# KiCad board Marble_Tiny.kicad_pcb (continued)
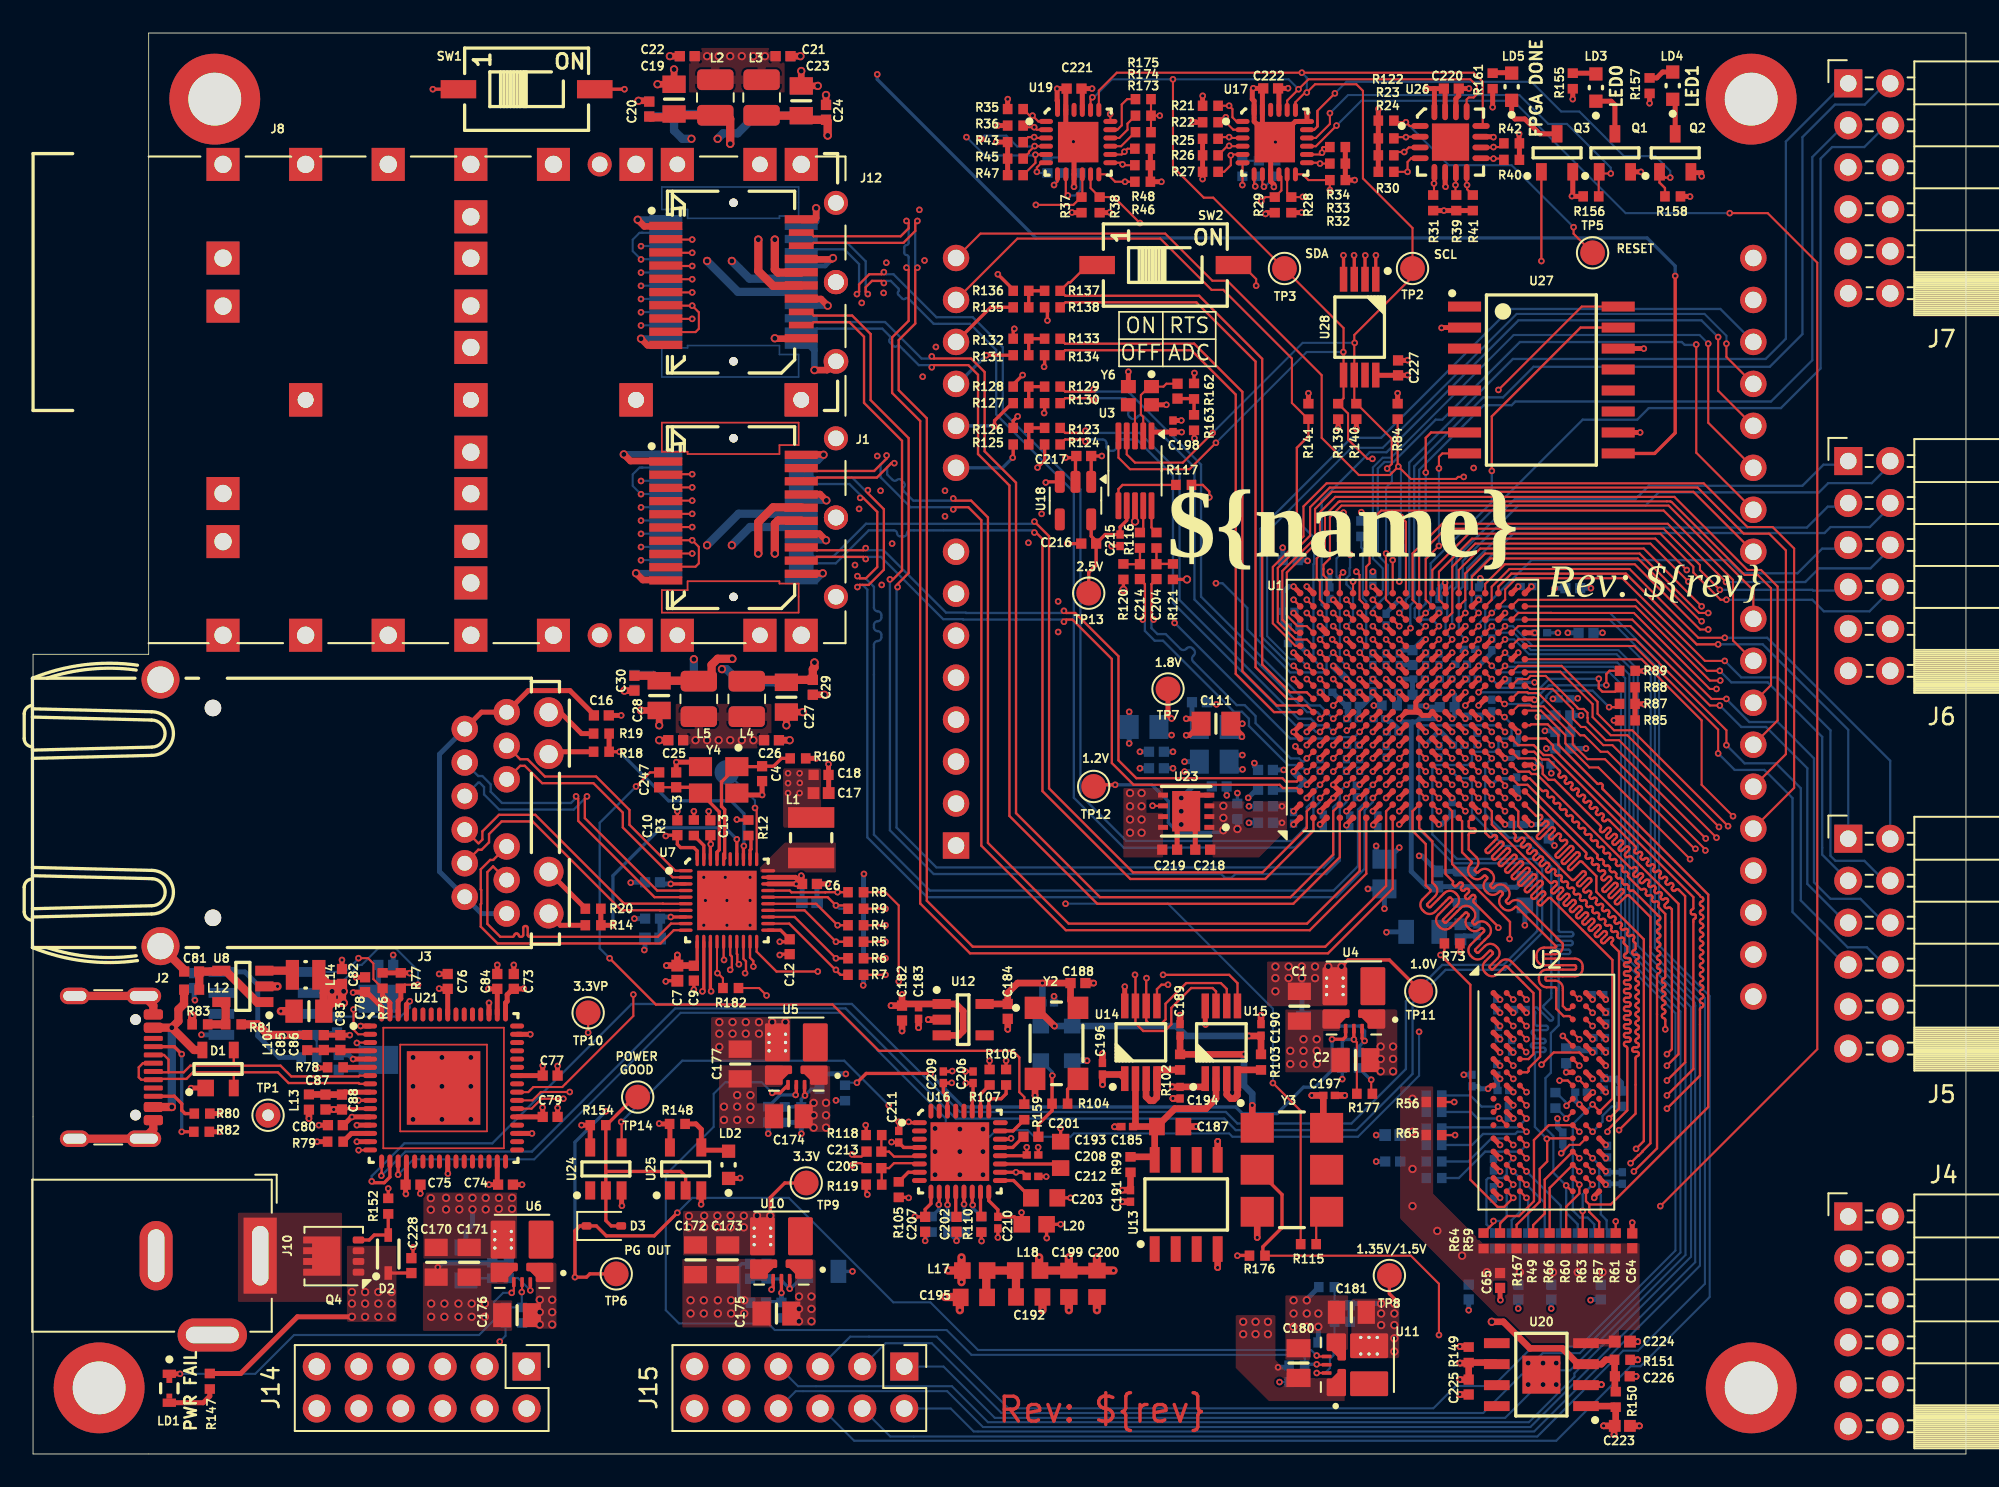
[diagram p0: board, top side]
## Placement (name value [footprint] x y rotation side) (continued)
LD2  -  [LED_KINGBRIGHT_KPH-1608CGCK]  42.1 17.5 90 top
LD3  -  [LED_KINGBRIGHT_KPH-1608CGCK]  94.6 82.7 90 top
LD4  -  [LED_KINGBRIGHT_KPH-1608CGCK]  99.25 82.81 90 top
LD5  -  [LED_KINGBRIGHT_KPH-1608CGCK]  89.5 82.75 90 top
Q1  BSS138LT1G  [SOT95P240X110-3N]  95.75 78.75 90 top
Q2  BSS138LT1G  [SOT95P240X110-3N]  99.4 78.75 90 top
Q3  BSS138LT1G  [SOT95P240X110-3N]  92.25 78.75 90 top
Q4  DMP3013SFV  [Diodes_PowerDI3333-8]  18.2 11.97 180 top
R1  R0603_6K65_0.1%_0.063W_10PPM  [RESC1608X55N]  77.7 26.3 180 bottom
R2  R0402_10K_1%_0.0625W_100PPM  [RESC1005X40N]  80.25 23.83 90 bottom
R3  R0402_2K49_1%_0.063W_100PPM  [RESC1005X40N]  40 37.9 90 top
R4  R0402_22R_1%_0.0625W_100PPM  [RESC1005X40N]  49.8 32 180 top
R5  R0402_22R_1%_0.0625W_100PPM  [RESC1005X40N]  49.8 31 180 top
R6  R0402_22R_1%_0.0625W_100PPM  [RESC1005X40N]  49.8 30 180 top
R7  R0402_22R_1%_0.0625W_100PPM  [RESC1005X40N]  49.8 29 180 top
R8  R0402_22R_1%_0.0625W_100PPM  [RESC1005X40N]  49.8 34 180 top
R9  R0402_22R_1%_0.0625W_100PPM  [RESC1005X40N]  49.8 33 180 top
R10  R0402_4K7_1%_0.0625W_100PPM  [RESC1005X40N]  49.8 31 180 bottom
R11  R0402_4K7_1%_0.0625W_100PPM  [RESC1005X40N]  49.8 32 180 bottom
R12  R0402_4K7_1%_0.0625W_100PPM  [RESC1005X40N]  43.3 37.9 90 top
R13  R0402_4K7_1%_0.0625W_100PPM  [RESC1005X40N]  49.8 30 180 bottom
R14  R0402_4K7_1%_0.0625W_100PPM  [RESC1005X40N]  33.9 32 0 top
R15  R0402_4K7_1%_0.0625W_100PPM  [RESC1005X40N]  49.8 29 0 bottom
R16  R0402_4K7_1%_0.0625W_100PPM  [RESC1005X40N]  49.8 33 180 bottom
R17  R0402_4K7_1%_0.0625W_100PPM  [RESC1005X40N]  49.8 34 180 bottom
R18  R0402_4K7_1%_0.0625W_100PPM  [RESC1005X40N]  34.4 42.5 0 top
R19  R0402_330R_1%_0.0625W_100PPM  [RESC1005X40N]  34.4 43.6 180 top
R20  R0402_330R_1%_0.0625W_100PPM  [RESC1005X40N]  33.9 33 180 top
R21  R0402_4K7_1%_0.0625W_100PPM  [RESC1005X40N]  71.26 81.6 180 top
R22  R0402_4K7_1%_0.0625W_100PPM  [RESC1005X40N]  71.26 80.6 0 top
R23  R0402_4K7_1%_0.0625W_100PPM  [RESC1005X40N]  81.9 79.62 180 top
R24  R0402_4K7_1%_0.0625W_100PPM  [RESC1005X40N]  81.9 78.6 180 top
R25  R0402_4K7_1%_0.0625W_100PPM  [RESC1005X40N]  71.26 79.6 180 top
R26  R0402_4K7_1%_0.0625W_100PPM  [RESC1005X40N]  71.26 78.6 180 top
R27  R0402_4K7_1%_0.0625W_100PPM  [RESC1005X40N]  71.26 77.6 180 top
R28  R0402_4K7_1%_0.0625W_100PPM  [RESC1005X40N]  75.16 75.6 270 top
R29  R0402_4K7_1%_0.0625W_100PPM  [RESC1005X40N]  76.16 75.6 90 top
R30  R0402_4K7_1%_0.0625W_100PPM  [RESC1005X40N]  81.9 77.6 180 top
R31  R0402_4K7_1%_0.0625W_100PPM  [RESC1005X40N]  84.75 75.72 270 top
R32  R0402_4K7_1%_0.0625W_100PPM  [RESC1005X40N]  78.96 77.1 0 top
R33  R0402_4K7_1%_0.0625W_100PPM  [RESC1005X40N]  78.96 78.1 0 top
R34  R0402_4K7_1%_0.0625W_100PPM  [RESC1005X40N]  78.96 79.1 0 top
R35  R0402_4K7_1%_0.0625W_100PPM  [RESC1005X40N]  59.46 81.4 180 top
R36  R0402_4K7_1%_0.0625W_100PPM  [RESC1005X40N]  59.46 80.4 0 top
R37  R0402_4K7_1%_0.0625W_100PPM  [RESC1005X40N]  63.46 75.6 270 top
R38  R0402_4K7_1%_0.0625W_100PPM  [RESC1005X40N]  64.56 75.6 90 top
R39  R0402_4K7_1%_0.0625W_100PPM  [RESC1005X40N]  86.15 75.72 270 top
R40  R0402_4K7_1%_0.0625W_100PPM  [RESC1005X40N]  89.5 78.32 0 top
R41  R0402_4K7_1%_0.0625W_100PPM  [RESC1005X40N]  87.15 75.72 270 top
R42  R0402_4K7_1%_0.0625W_100PPM  [RESC1005X40N]  89.5 79.32 0 top
R43  R0402_4K7_1%_0.0625W_100PPM  [RESC1005X40N]  59.46 79.4 180 top
R44  R0402_4K7_1%_0.0625W_100PPM  [RESC1005X40N]  67.16 77 0 top
R45  R0402_4K7_1%_0.0625W_100PPM  [RESC1005X40N]  59.46 78.4 180 top
R46  R0402_4K7_1%_0.0625W_100PPM  [RESC1005X40N]  67.16 78 0 top
R47  R0402_4K7_1%_0.0625W_100PPM  [RESC1005X40N]  59.46 77.4 180 top
R48  R0402_4K7_1%_0.0625W_100PPM  [RESC1005X40N]  67.16 79 0 top
R49  R0402_40R2_1%_0.0625W_100PPM  [RESC1005X40N]  90.8 12.9 270 top
R50  R0402_40R2_1%_0.0625W_100PPM  [RESC1005X40N]  90.5 12.9 270 bottom
R51  R0402_40R2_1%_0.0625W_100PPM  [RESC1005X40N]  84.8 17.7 180 bottom
R52  R0402_40R2_1%_0.0625W_100PPM  [RESC1005X40N]  95.5 12.9 270 bottom
R53  R0402_40R2_1%_0.0625W_100PPM  [RESC1005X40N]  84.8 16.7 180 bottom
R54  R0402_40R2_1%_0.0625W_100PPM  [RESC1005X40N]  94.5 12.9 270 bottom
R55  R0402_40R2_1%_0.0625W_100PPM  [RESC1005X40N]  84.8 20.7 180 bottom
R56  R0402_40R2_1%_0.0625W_100PPM  [RESC1005X40N]  84.8 21.3 180 top
R57  R0402_40R2_1%_0.0625W_100PPM  [RESC1005X40N]  94.8 12.9 270 top
R58  R0402_40R2_1%_0.0625W_100PPM  [RESC1005X40N]  91.5 12.9 270 bottom
R59  R0402_40R2_1%_0.0625W_100PPM  [RESC1005X40N]  88.8 12.9 270 top
R60  R0402_40R2_1%_0.0625W_100PPM  [RESC1005X40N]  92.8 12.9 270 top
R61  R0402_40R2_1%_0.0625W_100PPM  [RESC1005X40N]  95.8 12.9 270 top
R62  R0402_40R2_1%_0.0625W_100PPM  [RESC1005X40N]  89.5 12.9 270 bottom
R63  R0402_40R2_1%_0.0625W_100PPM  [RESC1005X40N]  93.8 12.9 270 top
R64  R0402_40R2_1%_0.0625W_100PPM  [RESC1005X40N]  87.8 12.9 270 top
R65  R0402_40R2_1%_0.0625W_100PPM  [RESC1005X40N]  84.8 19.3 180 top
R66  R0402_40R2_1%_0.0625W_100PPM  [RESC1005X40N]  91.8 12.9 270 top
R67  R0402_40R2_1%_0.0625W_100PPM  [RESC1005X40N]  92.47 12.9 270 bottom
R68  R0402_40R2_1%_0.0625W_100PPM  [RESC1005X40N]  88.5 12.9 270 bottom
R69  R0402_40R2_1%_0.0625W_100PPM  [RESC1005X40N]  84.8 19.7 180 bottom
R70  R0402_40R2_1%_0.0625W_100PPM  [RESC1005X40N]  84.8 18.7 180 bottom
R71  R0402_40R2_1%_0.0625W_100PPM  [RESC1005X40N]  84.8 21.7 180 bottom
R72  R0402_240R_1%_0.0625W_100PPM  [RESC1005X40N]  96.1 21.5 90 bottom
R73  R0402_4K7_1%_0.0625W_100PPM  [RESC1005X40N]  85.9 30.9 180 top
R74  R0402_2K2_1%_0.0625W_100PPM  [RESC1005X40N]  18.4 26 90 bottom
R75  R0402_10K_1%_0.0625W_100PPM  [RESC1005X40N]  16.7 24 0 bottom
R76  R0402_10K_1%_0.0625W_100PPM  [RESC1005X40N]  21.16 28.65 90 top
R77  R0402_10K_1%_0.0625W_100PPM  [RESC1005X40N]  22.26 28.65 90 top
R78  R0402_12K_1%_0.0625W_100PPM  [RESC1005X40N]  18.3 23.4 0 top
R79  R0402_4K7_1%_0.0625W_100PPM  [RESC1005X40N]  18.3 18.9 180 top
R80  R0402_5K1_1%_0.0625W_100PPM  [RESC1005X40N]  10.23 20.6 0 top
R81  R0402_10K_1%_0.0625W_100PPM  [RESC1005X40N]  12.13 26 0 top
R82  R0402_5K1_1%_0.0625W_100PPM  [RESC1005X40N]  10.2 19.5 0 top
R83  R0402_2K2_1%_0.0625W_100PPM  [RESC1005X40N]  10.1 26 180 top
R84  R0402_1K_1%_0.0625W_100PPM  [RESC1005X40N]  82.6 63.1 270 top
R85  R0402_4K7_1%_0.0625W_100PPM  [RESC1005X40N]  96.5 44.4 0 top
R86  R0402_4K7_1%_0.0625W_100PPM  [RESC1005X40N]  79.2 55.95 90 bottom
R87  R0402_4K7_1%_0.0625W_100PPM  [RESC1005X40N]  96.5 45.4 0 top
R88  R0402_1K_1%_0.0625W_100PPM  [RESC1005X40N]  96.5 46.4 0 top
R89  R0402_1K_1%_0.0625W_100PPM  [RESC1005X40N]  96.5 47.4 180 top
R90  R0402_1K_1%_0.0625W_100PPM  [RESC1005X40N]  80.4 56 270 bottom
R91  R0805_135K_0.1%_0.1W_25PPM_KOA_RN73R2ATTD1353B25  [RESC2012X60N]  26.2 11.5 270 bottom
R92  R0402_30K_1%_0.0625W_100PPM  [RESC1005X40N]  27.8 11.1 90 bottom
R93  R0402_30K_1%_0.0625W_100PPM  [RESC1005X40N]  44.4 11.06 90 bottom
R94  R0805_135K_0.1%_0.1W_25PPM_KOA_RN73R2ATTD1353B25  [RESC2012X60N]  47.75 11.05 180 bottom
R95  R0402_30K_1%_0.0625W_100PPM  [RESC1005X40N]  47.6 22.54 90 bottom
R96  R0402_30K_1%_0.0625W_100PPM  [RESC1005X40N]  46.5 20.54 90 bottom
R97  R0402_30K_1%_0.0625W_100PPM  [RESC1005X40N]  45.5 20.54 90 bottom
R98  R0402_10K_1%_0.0625W_100PPM  [RESC1005X40N]  78.25 6.75 0 bottom  (not fitted)
R99  R0402_240R_1%_0.0625W_100PPM  [RESC1005X40N]  66.43 17.51 270 top
R100  R0402_30K_1%_0.0625W_100PPM  [RESC1005X40N]  79.25 8 0 bottom
R101  R0402_30K_1%_0.0625W_100PPM  [RESC1005X40N]  79.25 9 0 bottom
R102  R0402_240R_1%_0.0625W_100PPM  [RESC1005X40N]  69.43 23.71 270 top
R103  R0402_240R_1%_0.0625W_100PPM  [RESC1005X40N]  74.33 23.71 270 top
R104  R0402_0R_JUMPER  [RESC1005X40N]  62.15 21.2 180 top
R105  R0402_0R_JUMPER  [RESC1005X40N]  52.4 16 90 top
R106  R0402_0R_JUMPER  [RESC1005X40N]  58.9 22.8 270 top
R107  R0402_0R_JUMPER  [RESC1005X40N]  57.9 22.8 270 top
R108  R0402_0R_JUMPER  [RESC1005X40N]  56.4 13.9 90 bottom
R109  R0402_0R_JUMPER  [RESC1005X40N]  57.4 13.9 90 bottom
R110  R0402_0R_JUMPER  [RESC1005X40N]  57.4 13.9 90 top
R111  R0402_0R_JUMPER  [RESC1005X40N]  54.4 13.9 90 bottom
R112  R0402_0R_JUMPER  [RESC1005X40N]  55.4 13.9 90 bottom
R113  R0402_510R_0.1%_0.0625W_10PPM  [RESC1005X40N]  68 55.3 270 top
R114  R0402_100R_1%_0.1W_100PPM  [RESC1005X40N]  72.9 38.9 270 bottom
R115  R0402_100R_1%_0.1W_100PPM  [RESC1005X40N]  77.2 12.7 180 top
R116  R0402_510R_0.1%_0.0625W_10PPM  [RESC1005X40N]  67 55.3 270 top
R117  R0402_100R_1%_0.1W_100PPM  [RESC1005X40N]  69.65 58.65 0 top
R118  R0402_200R_1%_0.0625W_100PPM  [RESC1005X40N]  50.9 19.3 180 top
R119  R0402_200R_1%_0.0625W_100PPM  [RESC1005X40N]  50.9 16.3 180 top
R120  R0402_240R_1%_0.0625W_100PPM  [RESC1005X40N]  66 53.4 90 top
R121  R0402_240R_1%_0.0625W_100PPM  [RESC1005X40N]  69 53.4 90 top
R122  R0402_4K7_1%_0.0625W_100PPM  [RESC1005X40N]  81.9 80.7 180 top
R123  R0402_140R_1%_0.0625W_100PPM  [RESC1005X40N]  61.7 62.1 0 top
R124  R0402_845R_0.1%_0.063W_25PPM  [RESC1005X40N]  61.7 61.1 0 top
R125  R0402_2K32_1%_0.0625W_100PPM  [RESC1005X40N]  59.8 61.1 0 top
R126  R0402_1K_1%_0.0625W_100PPM  [RESC1005X40N]  59.8 62.1 180 top
R127  R0402_2K32_1%_0.0625W_100PPM  [RESC1005X40N]  59.8 63.6 0 top
R128  R0402_1K_1%_0.0625W_100PPM  [RESC1005X40N]  59.8 64.6 180 top
R129  R0402_140R_1%_0.0625W_100PPM  [RESC1005X40N]  61.7 64.6 0 top
R130  R0402_845R_0.1%_0.063W_25PPM  [RESC1005X40N]  61.7 63.6 0 top
R131  R0402_2K32_1%_0.0625W_100PPM  [RESC1005X40N]  59.8 66.5 0 top
R132  R0402_1K_1%_0.0625W_100PPM  [RESC1005X40N]  59.8 67.5 180 top
R133  R0402_140R_1%_0.0625W_100PPM  [RESC1005X40N]  61.7 67.5 0 top
R134  R0402_845R_0.1%_0.063W_25PPM  [RESC1005X40N]  61.7 66.5 0 top
R135  R0402_2K32_1%_0.0625W_100PPM  [RESC1005X40N]  59.8 69.4 0 top
R136  R0402_1K_1%_0.0625W_100PPM  [RESC1005X40N]  59.8 70.4 180 top
R137  R0402_140R_1%_0.0625W_100PPM  [RESC1005X40N]  61.7 70.4 0 top
R138  R0402_845R_0.1%_0.063W_25PPM  [RESC1005X40N]  61.7 69.4 0 top
R139  R0402_4K7_1%_0.0625W_100PPM  [RESC1005X40N]  79 63.1 270 top
R140  R0402_4K7_1%_0.0625W_100PPM  [RESC1005X40N]  80.1 63.1 270 top
R141  R0402_4K7_1%_0.0625W_100PPM  [RESC1005X40N]  77.2 63.1 90 top
R142  R0402_30K_1%_0.0625W_100PPM  [RESC1005X40N]  79.25 23.83 270 bottom
R143  R0402_30K_1%_0.0625W_100PPM  [RESC1005X40N]  44.5 20.55 270 bottom
R144  R0402_30K_1%_0.0625W_100PPM  [RESC1005X40N]  45.3 8.7 270 bottom
R145  R0402_30K_1%_0.0625W_100PPM  [RESC1005X40N]  76.5 5.35 180 bottom
R146  R0402_30K_1%_0.0625W_100PPM  [RESC1005X40N]  29.6 8.4 270 bottom
R147  R0402_30K_1%_0.0625W_100PPM  [RESC1005X40N]  10.7 4.4 270 top
R148  R0402_10K_1%_0.0625W_100PPM  [RESC1005X40N]  39 19.97 180 top
R149  R0402_1K_1%_0.0625W_100PPM  [RESC1005X40N]  86.9 6 270 top
R150  R0402_1K_1%_0.0625W_100PPM  [RESC1005X40N]  95.8 3.3 270 top
R151  R0402_1K_1%_0.0625W_100PPM  [RESC1005X40N]  96.2 5.7 180 top
R152  R0402_12K_1%_0.0625W_100PPM  [RESC1005X40N]  21.5 15 270 top
R153  R0402_40R2_1%_0.0625W_100PPM  [RESC1005X40N]  93.5 12.9 270 bottom
R154  R0402_100K_1%_0.0625W_100PPM  [RESC1005X40N]  34.2 19.9 0 top
R155  R0402_10K_1%_0.0625W_100PPM  [RESC1005X40N]  93.2 83.1 270 top
R156  R0402_10K_1%_0.0625W_100PPM  [RESC1005X40N]  94.3 76.11 0 top
R157  R0402_10K_1%_0.0625W_100PPM  [RESC1005X40N]  97.85 82.81 270 top
R158  R0402_10K_1%_0.0625W_100PPM  [RESC1005X40N]  99.25 76.11 180 top
R159  R0402_40R2_1%_0.0625W_100PPM  [RESC1005X40N]  60 20.7 90 top
R160  R0402_0R_JUMPER  [RESC1005X40N]  46.3 42.1 180 top
R161  R0402_10K_1%_0.0625W_100PPM  [RESC1005X40N]  88.35 83.1 270 top
R162  R0402_30K_1%_0.0625W_100PPM  [RESC1005X40N]  70.28 64.32 270 top
R163  R0402_10K_1%_0.0625W_100PPM  [RESC1005X40N]  70.28 62.42 90 top
R164  R0402_100K_1%_0.0625W_100PPM  [RESC1005X40N]  73.2 77.8 270 bottom
R165  R0402_100K_1%_0.0625W_100PPM  [RESC1005X40N]  74.2 77.8 270 bottom
R166  R0402_100K_1%_0.0625W_100PPM  [RESC1005X40N]  75.2 77.8 270 bottom
R167  R0402_40R2_1%_0.0625W_100PPM  [RESC1005X40N]  89.8 12.9 270 top
R168  R0402_80R6_1%_0.1W_100PPM  [RESC1005X40N]  92.15 21.4 90 bottom
R169  R0402_12K_1%_0.0625W_100PPM  [RESC1005X40N]  78.3 10.1 0 bottom
R170  R0402_100K_1%_0.0625W_100PPM  [RESC1005X40N]  61.4 78 270 bottom
R171  R0402_100K_1%_0.0625W_100PPM  [RESC1005X40N]  62.4 78 270 bottom
R172  R0402_100K_1%_0.0625W_100PPM  [RESC1005X40N]  63.4 78 270 bottom
R173  R0402_100K_1%_0.0625W_100PPM  [RESC1005X40N]  67.2 80 180 top
R174  R0402_100K_1%_0.0625W_100PPM  [RESC1005X40N]  67.2 81 180 top
R175  R0402_100K_1%_0.0625W_100PPM  [RESC1005X40N]  67.2 82 180 top
R176  R0402_10K_1%_0.0625W_100PPM  [RESC1005X40N]  74.1 12 180 top
R177  R0402_12K_1%_0.0625W_100PPM  [RESC1005X40N]  80.6 21.8 180 top
R178  R0402_12K_1%_0.0625W_100PPM  [RESC1005X40N]  49.15 21.85 90 bottom
R179  R0402_12K_1%_0.0625W_100PPM  [RESC1005X40N]  43.9 9.15 0 bottom
R180  R0402_12K_1%_0.0625W_100PPM  [RESC1005X40N]  76.5 4.35 0 bottom
R181  R0402_12K_1%_0.0625W_100PPM  [RESC1005X40N]  28.6 8.4 90 bottom
R182  R0402_4K7_1%_0.0625W_100PPM  [RESC1005X40N]  42.23 28.2 0 top
SW1  SW_DIP_x01  [SW_OMRON_A6SN-1101]  29.88 82.6 0 top
SW2  SW_DIP_x01  [SW_OMRON_A6SN-1101]  68.54 71.96 0 top
TP1  TestPoint  [TestPoint_THTPad_D1.5mm_Drill0.7mm]  14.22 20.5 0 top
TP2  TestPoint  [TestPoint_Pad_D1.5mm]  83.5 71.75 0 top
TP3  TestPoint  [TestPoint_Pad_D1.5mm]  75.75 71.75 0 top
TP4  TestPoint  [TestPoint_Pad_D1.5mm]  42 41.25 0 bottom
TP5  TestPoint  [TestPoint_Pad_D1.5mm]  94.4 72.7 0 top
TP6  TestPoint  [TestPoint_Pad_D1.5mm]  35.3 10.9 0 top
TP7  TestPoint  [TestPoint_Pad_D1.5mm]  68.7 46.3 0 top
TP8  TestPoint  [TestPoint_Pad_D1.5mm]  82.1 10.8 0 top
TP9  TestPoint  [TestPoint_Pad_D1.5mm]  46.8 16.4 0 top
TP10  TestPoint  [TestPoint_Pad_D1.5mm]  33.6 26.7 0 top
TP11  TestPoint  [TestPoint_Pad_D1.5mm]  84 28 0 top
TP12  TestPoint  [TestPoint_Pad_D1.5mm]  64.2 40.4 0 top
TP13  TestPoint  [TestPoint_Pad_D1.5mm]  63.9 52.1 0 top
TP14  TestPoint  [TestPoint_Pad_D1.5mm]  36.6 21.6 0 top
U1  XC7A35T-CSG325  [Xilinx_CSG325]  83.5 45.3 90 top
U2  MT41K512M16HA-125_E / MT41K512M16VRP-107 IT:P  [FBGA-96_8x14mm_Layout9x16_P0.8mm]  91.6 21.9 0 top
U3  Si5351A-B-GT  [MSOP-10_3x3mm_P0.5mm]  66.7 59.5 270 top
U4  TPSM863257RDXR  [VREG_TPSM863257RDXR]  79.95 27.63 180 top
U5  TPSM863257RDXR  [VREG_TPSM863257RDXR]  46.2 24.24 180 top
U6  TPSM863257RDXR  [VREG_TPSM863257RDXR]  29.6 12.3 180 top
U7  RTL8211F-CG  [QFN40P500X500X80-41N-S360]  42 33.5 0 top
U8  TLV62565DBV  [SOT95P280X145-5N]  12.7 28.3 180 top
U9  REF3012  [SOT-23]  87.6 34.3 0 bottom
U10  TPSM863257RDXR  [VREG_TPSM863257RDXR]  45.3 12.5 180 top
U11  TPSM863257RDXR  [VREG_TPSM863257RDXR]  80.2 5.4 90 top
U12  LP5951MF-3.0/NOPB  [SOT95P284X122-5N]  56.3 26.28 0 top
U13  LM336M-2.5  [SOIC127P600X175-8N]  69.8 15.1 90 top
U14  DAC8550IDGK  [SOP65P490X110-8N]  67.05 24.91 90 top
U15  DAC8550IDGK  [SOP65P490X110-8N]  71.93 24.91 90 top
U16  CDCM61004RHB  [QFN50P500X500X100-33N-S355]  56.1 18.3 0 top
U17  TCA9535RTWR  [QFN50P400X400X80-25N-S245]  75.16 79.4 0 top
U18  TLV77325PDBVR  [SOT-23-5]  63.1 57.7 270 top
U19  TCA9535RTWR  [QFN50P400X400X80-25N-S245]  63.26 79.4 0 top
U20  RT9045AGSP / AP2303  [SOIC127P600X168-9N-S230]  91.3 4.8 180 top
U21  FT2232HQ  [QFN50P900X900X100-65N-S445]  24.85 22.15 0 top
U22  93C46B-I_SN  [SOIC127P600X175-8N]  14.1 27.27 180 bottom
U23  NCV59801CML120TCG  [SON65P300X300X100-9N-R170X245]  69.8 38.9 180 top
U24  SN74LVC1G07DBV  [SOT95P280X145-5N]  34.67 17.25 90 top
U25  SN74LVC1G07DBV  [SOT95P280X145-5N]  39.5 17.25 90 top
U26  PCA9546ARGV  [QFN65P400X400X100-17N-S225]  85.8 79.4 0 top
U27  S25FL128SAGMFI001  [SOIC127P1030X265-16N]  91.3 65 0 top
U28  24AA256UID-I_ST  [SOP65P640X120-8N]  80.3 68.2 270 top
Y1  OSC_25MHZ_RAKON_IVT3205CR  [OSC_ABRACON_ASEMPC]  61.95 24.85 180 bottom
Y2  VM53S3-25.000-2.5/-30+75  [OSCCC320X500X160-4N]  61.95 24.85 0 top
Y3  OSC_20MHZ_IQD_LFVCXO026156  [OSC_IQD_CFPV-45]  76.2 17.2 0 top
Y4  XTAL_25MHZ_EPSON_TSX-3225_25.0000MF10Z-AC  [XTAL_EPSON_TSX-3225]  41.5 40.8 270 top  (not fitted)
Y5  XTAL_12MHZ_TXC_7A-12.000MAAJ-T  [XTAL_TXC_7A]  20.9 25.7 90 bottom
Y6  XTAL_25MHZ_TXC_8Y-25.000MAAJ-T  [XTAL_TXC_8Y]  67 64.05 270 top

## Library data of the parts
A1 = -: Datasheet: https://www.arduino.cc/en/Main/arduinoBoardUno; Description: Arduino UNO Microcontroller Module, release 3; ki_fp_filters: Arduino*UNO*R3*
B1-B4 = -: Datasheet: Undefined; Description: Plated Through Hole: Hole Dia.=3.2mm Pad Dia.=5.5mm; Family: Plated Hole; Library Ref: Single Terminal Socket; Library Path: SchLib\Pads.SchLib; Component Kind: Standard (No BOM); Component Type: Standard (No BOM); Pin Count: 1; Footprint Path: PcbLib\Pads.PcbLib; Footprint Ref: MTG320_550; Mounted: No; Socket: No; SMD: No; Sense: No; Status: None; Part Description: Plated Through Hole: Hole Dia.=3.2mm Pad Dia.=5.5mm; ComponentHeight: 0mm; HelpURL: Undefined; Author: CERN DEM JMW; CreateDate: 10/01/12 00:00:00; LatestRevisionDate: 10/01/12 00:00:00; PackageDescription: Plated Through Hole: Hole Dia.=3.2mm Pad Dia.=5.5mm; Database Table Name: Eletro-mechanical; Library Name: Pads; Footprint Library: Pads; License: CC-BY-SA 4.0
C1 C19 C23 C27 C28 C35-C38 C83 C170-C173 C177 C181 = -: Datasheet: \\cern.ch\dfs\Applications\Altium\Datasheets\CC0805_X5R_TDK_C.pdf; Description: SMD Multilayer Chip Ceramic Capacitor; Val: 22uF; Library Ref: Capacitor - non polarized; Library Path: SchLib\Capacitors.SchLib; Comment: 22uF; Component Kind: Standard; Component Type: Standard; Pin Count: 2; Footprint Path: PcbLib\Capacitors SMD.PcbLib; Footprint Ref: CAPC2012X135N; Status: Preferred; Voltage: 16V; TC: X5R; Tolerance: ±10%; Part Description: SMD Multilayer Chip Ceramic Capacitor; Manufacturer: GENERIC; Case: 0805; Mounted: Yes; Socket: No; SMD: Yes; Sense: No; Manufacturer1 Example: TDK; Manufacturer1 Part Number: C2012X5R1C226KT; Manufacturer1 ComponentHeight: 1.35mm; HelpURL: \\cern.ch\dfs\Applications\Altium\Datasheets\CC0805_X5R_TDK_C.pdf; Author: CERN DEM JLC; CreateDate: 10/25/12 00:00:00; LatestRevisionDate: 10/25/12 00:00:00; Database Table Name: Capacitors; Library Name: Capacitors SMD; Footprint Library: Capacitors SMD; License: CC-BY-SA 4.0
C2 C174-C176 C180 = -: Datasheet: \\cern.ch\dfs\Applications\Altium\Datasheets\CC0805_X5R_MURATA_GRM.pdf; Description: SMD Multilayer Chip Ceramic Capacitor; Val: 10uF; Library Ref: Capacitor - non polarized; Library Path: SchLib\Capacitors.SchLib; Comment: 10uF; Component Kind: Standard; Component Type: Standard; Pin Count: 2; Footprint Path: PcbLib\Capacitors SMD.PcbLib; Footprint Ref: CAPC2012X95N; Status: Preferred; Voltage: 25V; TC: X5R; Tolerance: ±10%; Part Description: SMD Multilayer Chip Ceramic Capacitor; Manufacturer: GENERIC; Case: 0805; Mounted: Yes; Socket: No; SMD: Yes; Sense: No; Manufacturer1 Example: MURATA; Manufacturer1 Part Number: GRM219R61E106KA12D; Manufacturer1 ComponentHeight: 0.95mm; HelpURL: \\cern.ch\dfs\Applications\Altium\Datasheets\CC0805_X5R_MURATA_GRM.pdf; Author: CERN DEM JLC; CreateDate: 10/25/12 00:00:00; LatestRevisionDate: 09/06/16 00:00:00; Database Table Name: Capacitors; Library Name: Capacitors SMD; Footprint Library: Capacitors SMD; License: CC-BY-SA 4.0
C3 C4 C71 C72 = -: Datasheet: \\cern.ch\dfs\Applications\Altium\Datasheets\CC0402_C0G_KEMET_(Commercial Grade).pdf; Description: SMD Multilayer Chip Ceramic Capacitor; Val: 27pF; Library Ref: Capacitor - non polarized; Library Path: SchLib\Capacitors.SchLib; Comment: 27pF; Component Kind: Standard; Component Type: Standard; Pin Count: 2; Footprint Path: PcbLib\Capacitors SMD.PcbLib; Footprint Ref: CAPC1005X55N; Status: Preferred; Voltage: 50V; TC: C0G/NP0; Tolerance: ±5%; Part Description: SMD Multilayer Chip Ceramic Capacitor; Manufacturer: GENERIC; Case: 0402; Mounted: Yes; Socket: No; SMD: Yes; Sense: No; Manufacturer1 Example: KEMET; Manufacturer1 Part Number: C0402C270J5GACTU; Manufacturer1 ComponentHeight: 0.55mm; HelpURL: \\cern.ch\dfs\Applications\Altium\Datasheets\CC0402_C0G_KEMET_(Commercial Grade).pdf; Author: CERN DEM JLC; CreateDate: 10/25/12 00:00:00; LatestRevisionDate: 04/22/15 00:00:00; Database Table Name: Capacitors; Library Name: Capacitors SMD; Footprint Library: Capacitors SMD; License: CC-BY-SA 4.0
C5 C7 C11 C17 C62 C151 C152 C223 C224 = -: Datasheet: \\cern.ch\dfs\Applications\Altium\Datasheets\CC0402_X5R_TDK_C.pdf; Description: SMD Multilayer Chip Ceramic Capacitor; Val: 10uF; Library Ref: Capacitor - non polarized; Library Path: SchLib\Capacitors.SchLib; Comment: 10uF; Component Kind: Standard; Component Type: Standard; Pin Count: 2; Footprint Path: PcbLib\Capacitors SMD.PcbLib; Footprint Ref: CAPC1005X70N; Status: Preferred; Voltage: 6.3V; TC: X5R; Tolerance: ±10%; Part Description: SMD Multilayer Chip Ceramic Capacitor; Manufacturer: GENERIC; Case: 0402; Mounted: Yes; Socket: No; SMD: Yes; Sense: No; Manufacturer1 Example: TDK; Manufacturer1 Part Number: C1005X5R0J106M050; Manufacturer1 ComponentHeight: 0.70mm; HelpURL: \\cern.ch\dfs\Applications\Altium\Datasheets\CC0402_X5R_TDK_C.pdf; Author: CERN DEM JLC; CreateDate: 01/07/15 00:00:00; LatestRevisionDate: 01/07/15 00:00:00; Database Table Name: Capacitors; Library Name: Capacitors SMD; Footprint Library: Capacitors SMD; License: CC-BY-SA 4.0
C6 C8-C10 C12-C16 C18 C20-C22 C24-C26 C29-C34 C39-C42 C63-C70 C74-C80 C82 C84 C86 C88 C204 C205 C213 C214 C220-C222 C225-C228 C247 C248 = -: Datasheet: \\cern.ch\dfs\Applications\Altium\Datasheets\CC0402_MURATA_GRM155R71H104KE14D.pdf; Description: SMD Multilayer Chip Ceramic Capacitor; Val: 100nF; Library Ref: Capacitor - non polarized; Library Path: SchLib\Capacitors.SchLib; Comment: 100nF; Component Kind: Standard; Component Type: Standard; Pin Count: 2; Footprint Path: PcbLib\Capacitors SMD.PcbLib; Footprint Ref: CAPC1005X55N; Status: None; Voltage: 50V; TC: X7R; Tolerance: ±10%; Part Description: SMD Multilayer Chip Ceramic Capacitor; Manufacturer: GENERIC; Case: 0402; Mounted: Yes; Socket: No; SMD: Yes; Sense: No; Manufacturer1 Example: MURATA; Manufacturer1 Part Number: GRM155R71H104KE14D; Manufacturer1 ComponentHeight: 0.55mm; HelpURL: \\cern.ch\dfs\Applications\Altium\Datasheets\CC0402_MURATA_GRM155R71H104KE14D.pdf; Author: CERN DEM MR; CreateDate: 06/30/17 00:00:00; LatestRevisionDate: 06/30/17 00:00:00; Database Table Name: Capacitors; Library Name: Capacitors SMD; Footprint Library: Capacitors SMD; License: CC-BY-SA 4.0
C61 C73 C81 C85 C87 C103-C108 C117 C118 C123 C131-C133 C141 C142 C156 C161 C162 C167 C168 C218 C219 = -: Datasheet: \\cern.ch\dfs\Applications\Altium\Datasheets\CC0402_X5R_YAGEO_4VTO50V.pdf; Description: SMD Multilayer Chip Ceramic Capacitor; Val: 4.7uF; Library Ref: Capacitor - non polarized; Library Path: SchLib\Capacitors.SchLib; Comment: 4.7uF; Component Kind: Standard; Component Type: Standard; Pin Count: 2; Footprint Path: PcbLib\Capacitors SMD.PcbLib; Footprint Ref: CAPC1005X55N; Status: Preferred; Voltage: 16V; TC: X5R; Tolerance: ±20%; Part Description: SMD Multilayer Chip Ceramic Capacitor; Manufacturer: GENERIC; Case: 0402; Mounted: Yes; Socket: No; SMD: Yes; Sense: No; Manufacturer1 Example: YAGEO PHYCOMP; Manufacturer1 Part Number: CC0402MRX5R7BB475; Manufacturer1 ComponentHeight: 0.55mm; HelpURL: \\cern.ch\dfs\Applications\Altium\Datasheets\CC0402_X5R_YAGEO_4VTO50V.pdf; Author: CERN DEM BC; CreateDate: 09/07/20 00:00:00; LatestRevisionDate: 09/07/20 00:00:00; Database Table Name: Capacitors; Library Name: Capacitors SMD; Footprint Library: Capacitors SMD; License: CC-BY-SA 4.0
C89-C96 C113-C116 C120 C124-C127 C134-C137 C143-C146 C153 C155 C245 C246 = -: Datasheet: \\cern.ch\dfs\Applications\Altium\Datasheets\CC0201_X5R_TAIYO-YUDEN_STANDARD-CLASS2.pdf; Description: SMD Multilayer Chip Ceramic Capacitor; Val: 470nF; Library Ref: Capacitor - non polarized; Library Path: SchLib\Capacitors.SchLib; Comment: 470nF; Component Kind: Standard; Component Type: Standard; Pin Count: 2; Footprint Path: PcbLib\Capacitors SMD.PcbLib; Footprint Ref: CAPC0603X33N; Status: Not Recommended; Voltage: 4V; TC: X5R; Tolerance: ±20%; Part Description: SMD Multilayer Chip Ceramic Capacitor; Manufacturer: GENERIC; Case: 0201; Mounted: Yes; Socket: No; SMD: Yes; Sense: No; Manufacturer1 Example: TAIYO YUDEN; Manufacturer1 Part Number: AMK063BJ474MP-F; Manufacturer1 ComponentHeight: 0.33mm; HelpURL: \\cern.ch\dfs\Applications\Altium\Datasheets\CC0201_X5R_TAIYO-YUDEN_STANDARD-CLASS2.pdf; Author: CERN DEM JLC; CreateDate: 05/27/10 00:00:00; LatestRevisionDate: 05/27/10 00:00:00; Database Table Name: Capacitors; Library Name: Capacitors SMD; Footprint Library: Capacitors SMD; License: CC-BY-SA 4.0
C97-C102 C112 C121 C128-C130 C138-C140 C147-C150 C229-C244 = -: Datasheet: \\cern.ch\dfs\Applications\Altium\Datasheets\CC0201_X5R_AVX.pdf; Description: SMD Multilayer Chip Ceramic Capacitor; Val: 47nF; Library Ref: Capacitor - non polarized; Library Path: SchLib\Capacitors.SchLib; Comment: 47nF; Component Kind: Standard; Component Type: Standard; Pin Count: 2; Footprint Path: PcbLib\Capacitors SMD.PcbLib; Footprint Ref: CAPC0603X33N; Status: Not Recommended; Voltage: 6.3V; TC: X5R; Tolerance: ±10%; Part Description: SMD Multilayer Chip Ceramic Capacitor; Manufacturer: GENERIC; Case: 0201; Mounted: Yes; Socket: No; SMD: Yes; Sense: No; Manufacturer1 Example: AVX; Manufacturer1 Part Number: 02016D473KAT2A; Manufacturer1 ComponentHeight: 0.33mm; HelpURL: \\cern.ch\dfs\Applications\Altium\Datasheets\CC0201_X5R_AVX.pdf; Author: CERN DEM JLC; CreateDate: 12/03/07 00:00:00; LatestRevisionDate: 12/03/07 00:00:00; Database Table Name: Capacitors; Library Name: Capacitors SMD; Footprint Library: Capacitors SMD; License: CC-BY-SA 4.0
C109-C111 C119 C122 = -: Datasheet: \\cern.ch\dfs\Applications\Altium\Datasheets\CC0805_MURATA_GRM21BR60J107ME15L.pdf; Description: SMD Multilayer Chip Ceramic Capacitor; Val: 100uF; Library Ref: Capacitor - non polarized; Library Path: SchLib\Capacitors.SchLib; Comment: 100uF; Component Kind: Standard; Component Type: Standard; Pin Count: 2; Footprint Path: PcbLib\Capacitors SMD.PcbLib; Footprint Ref: CAPC2012X145N; Status: Preferred; Voltage: 6.3V; TC: X5R; Tolerance: ±20%; Part Description: SMD Multilayer Chip Ceramic Capacitor; Manufacturer: GENERIC; Case: 0805; Mounted: Yes; Socket: No; SMD: Yes; Sense: No; Manufacturer1 Example: MURATA; Manufacturer1 Part Number: GRM21BR60J107ME15; Manufacturer1 ComponentHeight: 1.45mm; HelpURL: \\cern.ch\dfs\Applications\Altium\Datasheets\CC0805_MURATA_GRM21BR60J107ME15L.pdf; Author: CERN DEM BC; CreateDate: 01/10/20 00:00:00; LatestRevisionDate: 01/10/20 00:00:00; Database Table Name: Capacitors; Library Name: Capacitors SMD; Footprint Library: Capacitors SMD; License: CC-BY-SA 4.0
C154 = -: Datasheet: \\cern.ch\dfs\Applications\Altium\Datasheets\CC0201_X5R_AVX.pdf; Val: 100nF; Library Ref: Capacitor - non polarized; Library Path: SchLib\Capacitors.SchLib; Comment: =Value; Component Kind: Standard; Component Type: Standard; Pin Count: 2; Footprint Path: PcbLib\Capacitors SMD.PcbLib; Footprint Ref: CAPC0603X33N; Status: Not Recommended; Voltage: 6.3V; TC: X5R; Tolerance: ±10%; Part Description: SMD Multilayer Chip Ceramic Capacitor; Manufacturer: GENERIC; Case: 0201; Mounted: Yes; Socket: No; SMD: Yes; Sense: No; Manufacturer1 Example: AVX; Manufacturer1 Part Number: 02016D104KAT2A; Manufacturer1 ComponentHeight: 0.33mm; CreateDate: 12/03/07 00:00:00; LatestRevisionDate: 12/03/07 00:00:00; Library Name: Capacitors SMD; License: This work is licensed under the Creative Commons CC-BY-SA 4.0 License. To the extent that circuit schematics that use Licensed Material can be considered to be ‘Adapted Material’, then the copyright holder waives article 3.b of the license with respect to these schematics.; ~: 100nF
C157-C160 C163-C166 C169 C249 C250 = -: Datasheet: \\cern.ch\dfs\Applications\Altium\Datasheets\CC0201_X5R_AVX.pdf; Description: SMD Multilayer Chip Ceramic Capacitor; Val: 100nF; Library Ref: Capacitor - non polarized; Library Path: SchLib\Capacitors.SchLib; Comment: 100nF; Component Kind: Standard; Component Type: Standard; Pin Count: 2; Footprint Path: PcbLib\Capacitors SMD.PcbLib; Footprint Ref: CAPC0603X33N; Status: Not Recommended; Voltage: 6.3V; TC: X5R; Tolerance: ±10%; Part Description: SMD Multilayer Chip Ceramic Capacitor; Manufacturer: GENERIC; Case: 0201; Mounted: Yes; Socket: No; SMD: Yes; Sense: No; Manufacturer1 Example: AVX; Manufacturer1 Part Number: 02016D104KAT2A; Manufacturer1 ComponentHeight: 0.33mm; HelpURL: \\cern.ch\dfs\Applications\Altium\Datasheets\CC0201_X5R_AVX.pdf; Author: CERN DEM JLC; CreateDate: 12/03/07 00:00:00; LatestRevisionDate: 12/03/07 00:00:00; Database Table Name: Capacitors; Library Name: Capacitors SMD; Footprint Library: Capacitors SMD; License: CC-BY-SA 4.0
C178 C179 = -: Datasheet: \\cern.ch\dfs\Applications\Altium\Datasheets\CC0402_C0G_KEMET_(Commercial Grade).pdf; Description: SMD Multilayer Chip Ceramic Capacitor; Val: 22pF; Library Ref: Capacitor - non polarized; Library Path: SchLib\Capacitors.SchLib; Comment: 22pF; Component Kind: Standard; Component Type: Standard; Pin Count: 2; Footprint Path: PcbLib\Capacitors SMD.PcbLib; Footprint Ref: CAPC1005X55N; Status: Preferred; Voltage: 50V; TC: C0G/NP0; Tolerance: ±5%; Part Description: SMD Multilayer Chip Ceramic Capacitor; Manufacturer: GENERIC; Case: 0402; Mounted: Yes; Socket: No; SMD: Yes; Sense: No; Manufacturer1 Example: KEMET; Manufacturer1 Part Number: C0402C220J5GACTU; Manufacturer1 ComponentHeight: 0.55mm; HelpURL: \\cern.ch\dfs\Applications\Altium\Datasheets\CC0402_C0G_KEMET_(Commercial Grade).pdf; Author: CERN DEM JLC; CreateDate: 12/03/07 00:00:00; LatestRevisionDate: 12/03/07 00:00:00; Database Table Name: Capacitors; Library Name: Capacitors SMD; Footprint Library: Capacitors SMD; License: CC-BY-SA 4.0
C182 C184 C207 = -: Datasheet: \\cern.ch\dfs\Applications\Altium\Datasheets\CC0402_X5R_TDK_C.pdf; ~: 1uF; Library Ref: Capacitor - non polarized; Library Path: SchLib\Capacitors.SchLib; Comment: 1uF; Component Kind: Standard; Component Type: Standard; Pin Count: 2; Footprint Path: PcbLib\Capacitors SMD.PcbLib; Footprint Ref: CAPC1005X55N; Val: 1uF; Status: Preferred; Voltage: 16V; TC: X5R; Tolerance: ±10%; Part Description: SMD Multilayer Chip Ceramic Capacitor; Manufacturer: GENERIC; Case: 0402; Mounted: Yes; Socket: No; SMD: Yes; Sense: No; Manufacturer1 Example: TDK; Manufacturer1 Part Number: C1005X5R1C105KT; Manufacturer1 ComponentHeight: 0.55mm; CreateDate: 10/25/12 00:00:00; LatestRevisionDate: 10/25/12 00:00:00; Library Name: Capacitors.DbLib; License: This work is licensed under the Creative Commons CC-BY-SA 4.0 License. To the extent that circuit schematics that use Licensed Material can be considered to be ‘Adapted Material’, then the copyright holder waives article 3.b of the license with respect to these schematics.
